# Altium PCB ZYNQ7010_AD9363.PcbDoc (part 1 of 5) (continued)
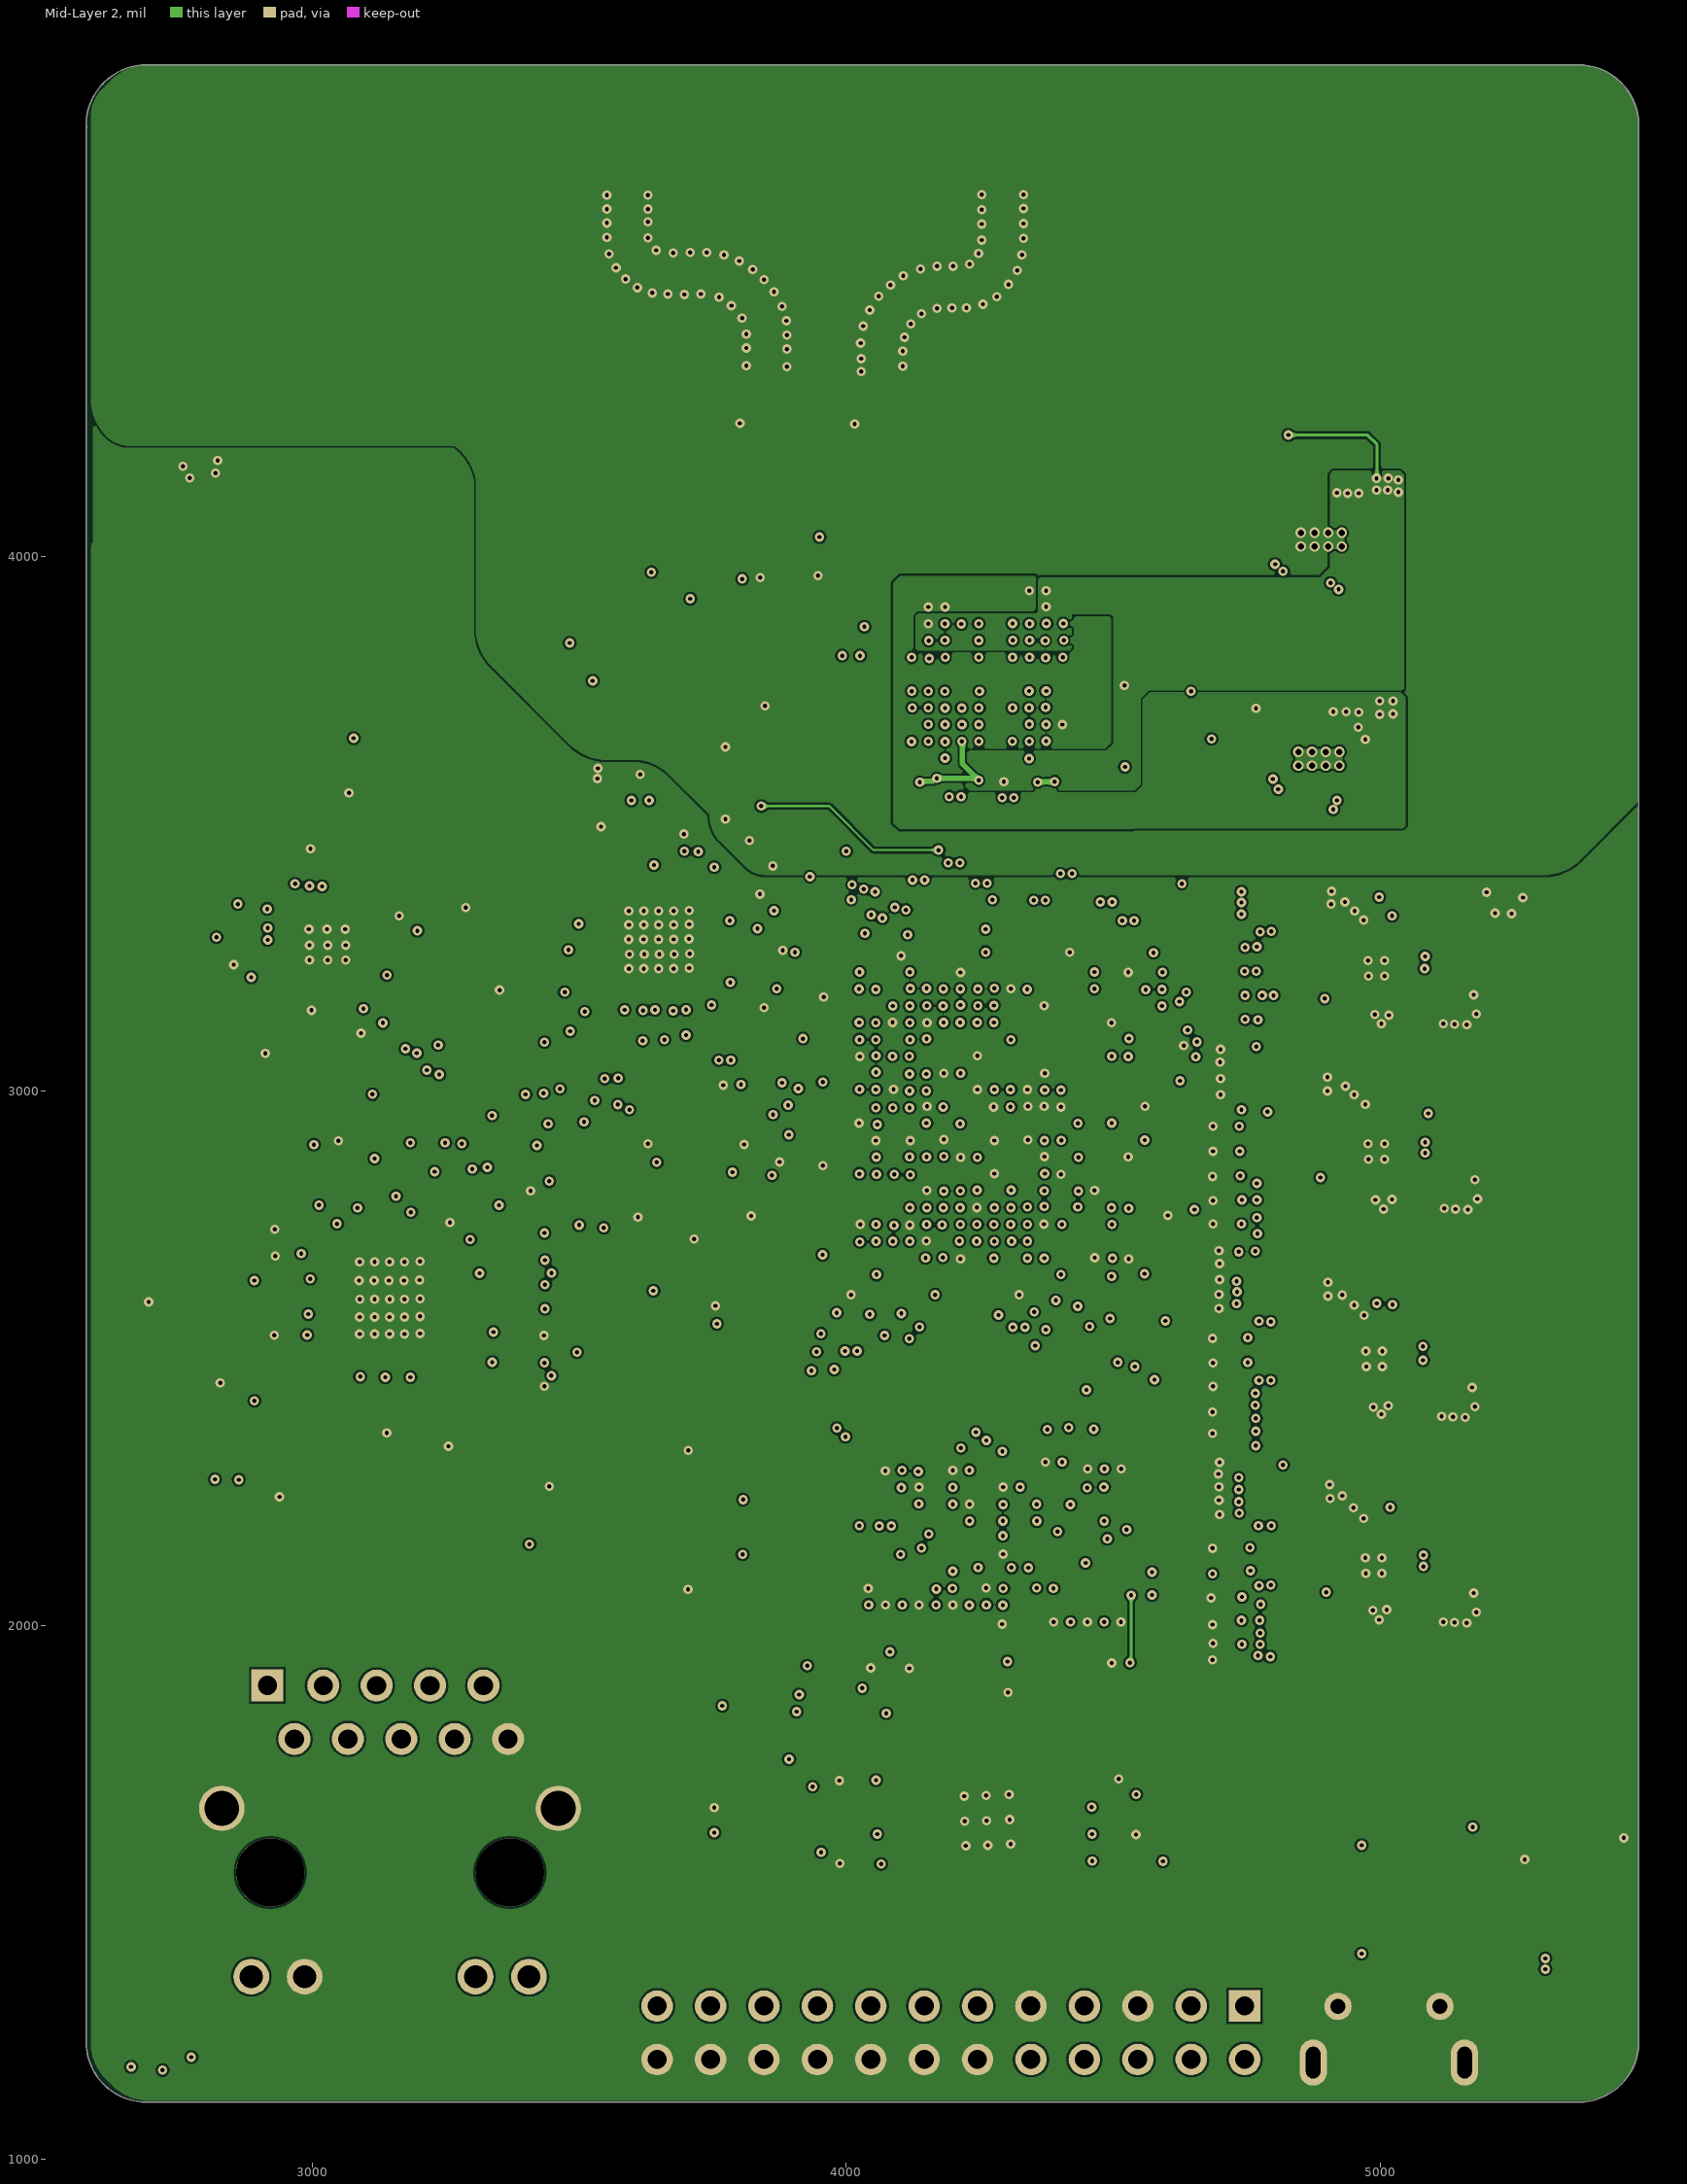
[diagram p3: Mid-Layer 2]
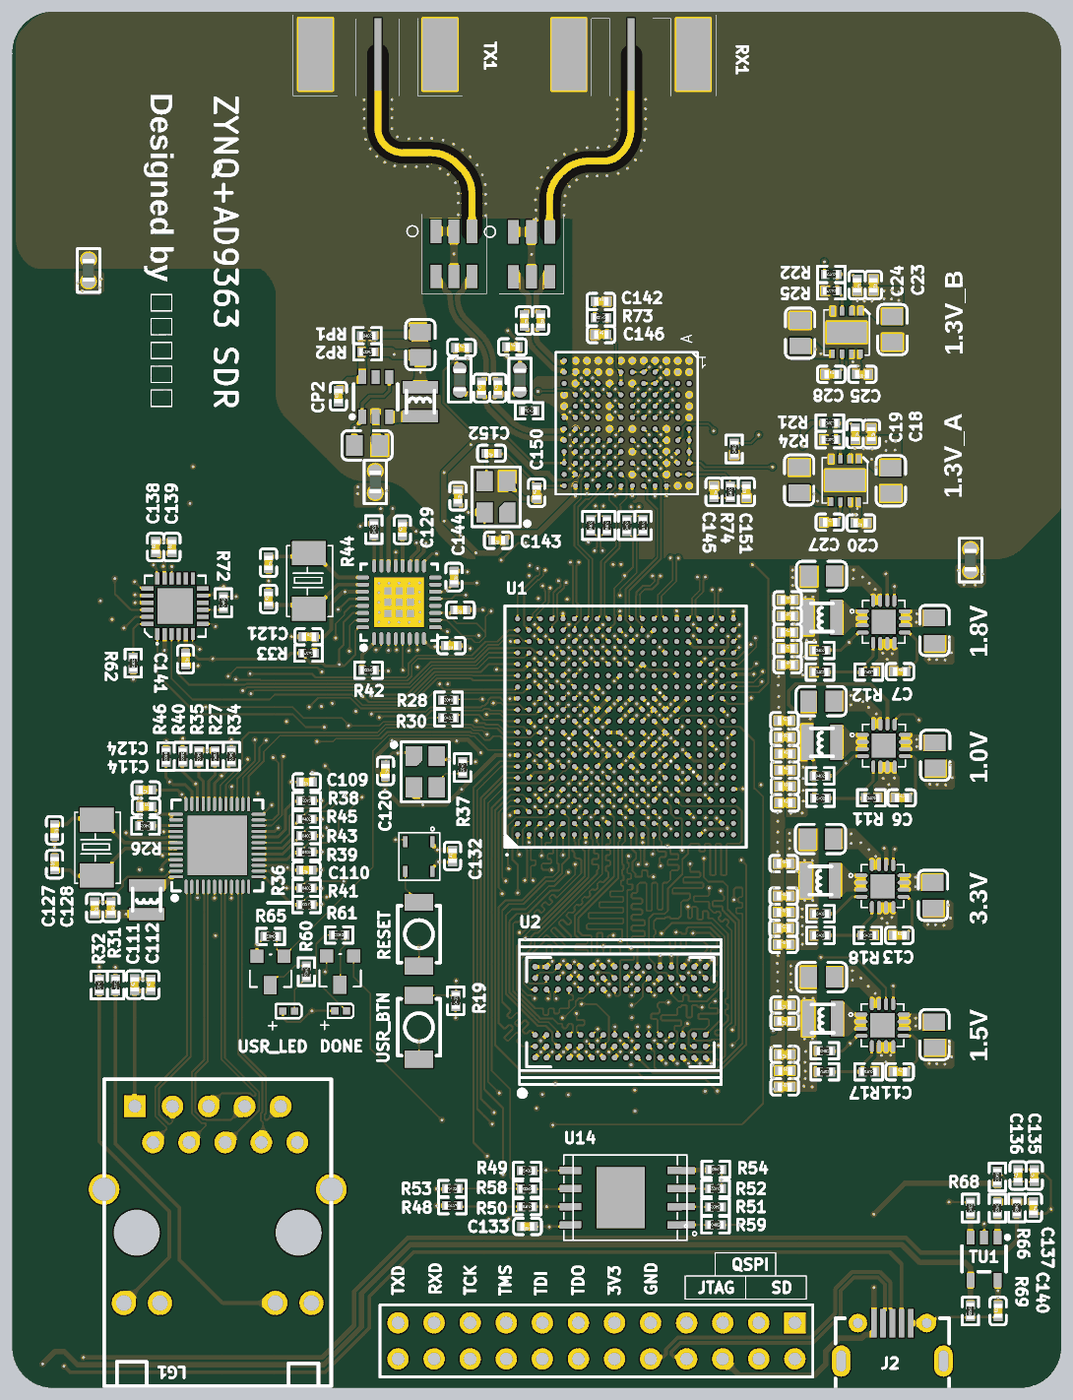
[diagram p8: 3D render of the assembled board from above, using the file's embedded part models]
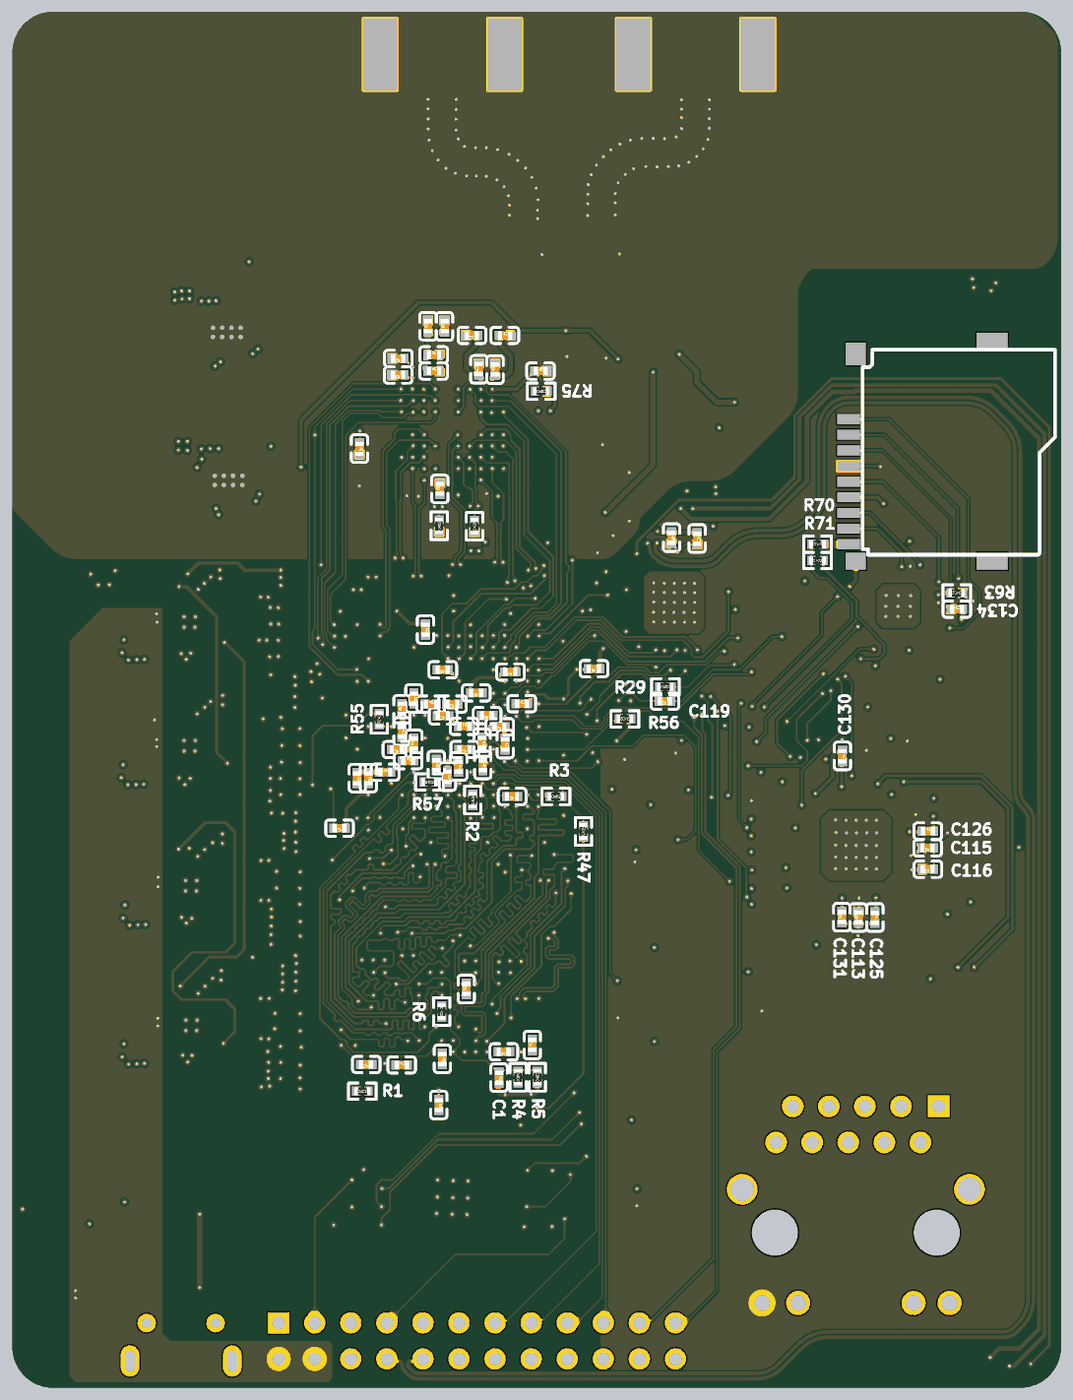
[diagram p9: 3D render of the assembled board from below, using the file's embedded part models]

## Layer stack, top to bottom
Top Solder: solder mask 0.4, Solder Resist, Dk 3.5
Top Layer: signal copper 1.4
Dielectric 1: dielectric 12.6, FR-4, Dk 4.8
Mid-Layer 1: signal copper 1.4
Dielectric2: dielectric 12.6, FR-4, Dk 4.8
Mid-Layer 2: signal copper 1.4
Dielectric3: dielectric 12.6, FR-4, Dk 4.8
Bottom Layer: signal copper 1.4
Bottom Solder: solder mask 0.4, Solder Resist, Dk 3.5

## Board outline
2576.99,1218.97 cw(c2580,1219) 2576.99,1219 2576.99,4802 cw(c2580,4802) 2578.31,4804.5 cw(c2580,4807) 2576.99,4806.97 cw(c2690,4808) 2688.97,4921.01 cw(c2689,4918) 2689,4921.02 5369.98,4921.02 cw(c5371,4808) 5484.01,4809.03 cw(c5481,4809) 5484.02,4809 5484.02,1221.01 ccw(c5371,1220) 5484.01,1221.03 5484.02,1221.01 cw(c5371,1220) 5484.02,1220 cw(c5371,1220) 5372.03,1106.99 cw(c5372,1110) 5372,1106.98 2691.01,1106.98 ccw(c2690,1220) 2691.03,1106.99 2691.01,1106.98 cw(c2690,1220)

## Design rules (kind name [scope] priority, off if disabled: settings)
Clearance [All] p1: gap=4 ignorepadtopadclearanceinfootprint=FALSE
ComponentClearance [All] p1: gap=0 collisioncheckmode=3 verticalgap=0 showdistances=FALSE
DiffPairsRouting [All] p1: maxlimit=10 minlimit=5 mostfreqgap=5 toplayer_minwidth=5 toplayer_maxwidth=15 toplayer_prefwidth=5 midlayer1_minwidth=5 midlayer1_maxwidth=15 midlayer1_prefwidth=5 midlayer2_minwidth=5 midlayer2_maxwidth=15 midlayer2_prefwidth=5 bottomlayer_minwidth=5 bottomlayer_maxwidth=15 bottomlayer_prefwidth=5 maxuncoupledlength=500
MinimumSolderMaskSliver [All] p1 off: minsoldermaskwidth=10
PolygonConnect [All] p1: connectstyle=Direct reliefconductorwidth=10 reliefentries=4 polygonreliefangle="90 Angle" airgapwidth=10
RoutingVias [All] p1: holewidth=7.87 width=17.72 viastyle="Through Hole" minholewidth=7.87 minwidth=17.72 maxholewidth=28 maxwidth=50
SilkToSilkClearance [All] p1 off: silktosilkclearance=10
SilkToSolderMaskClearance [IsPad] p1 off: minsilkscreentomaskgap=10 clearancetoexposedcopper=TRUE
SolderMaskExpansion [All] p1: expansion=4 istentingtop=FALSE
Width [All] p1: maxlimit=100 minlimit=4 preferedwidth=4
25 further rules are at their usual default settings.

## Classes and differential pairs
net class DQ815: DDR3_DM1 DDR3_DQ8 DDR3_DQ9 DDR3_DQ10 DDR3_DQ11 DDR3_DQ12 DDR3_DQ13 DDR3_DQ14 DDR3_DQ15 DDR3_DQS1_N DDR3_DQS1_P
net class DQ07: DDR3_DM0 DDR3_DQ0 DDR3_DQ1 DDR3_DQ2 DDR3_DQ3 DDR3_DQ4 DDR3_DQ5 DDR3_DQ6 DDR3_DQ7 DDR3_DQS0_N DDR3_DQS0_P
net class ADDRES: DDR3_A0 DDR3_A1 DDR3_A2 DDR3_A3 DDR3_A4 DDR3_A5 DDR3_A6 DDR3_A7 DDR3_A8 DDR3_A9 DDR3_A10 DDR3_A11 DDR3_A12 DDR3_A13 DDR3_A14 DDR3_BA0 DDR3_BA1 DDR3_BA2 DDR3_CAS DDR3_CK_N DDR3_CK_P DDR3_CKE DDR3_CS DDR3_ODT DDR3_RAS DDR3_WE
component class "07 AD9363": C142 C143 C144 C145 C146 C150 C151 C152 C156 C157 C158 C159 C160 C161 C162 C165 C166 C168 C169 C170 C171 C172 C173 C174 C175 C176 C177 CP1 CP2 CP3 L7 L8 LP1 R73 R74 R75 RP1 RP2 RX1 RX2 RX3 RX4 RX5 RX6 RX7 RX8 RX9 RX10 RX11 RX12 T1 T2 TX1 U5 UP1 X4
component class "06 ZYNQ_POWER": C33 C34 C35 C36 C37 C38 C39 C41 C42 C43 C44 C45 C46 C49 C50 C51 C52 C53 C54 C55 C56 C57 C61 C62 C67 C68 C69 C70 C71 C72 C73 C74 C75 C76 C77 C78 C80 C81 C82 C83 C84 C85 C86 C87 C89 C90 C91 C92 C93 C94 C95 C96 C98 C99 C100 C101 C102 C103 C104 C105 C106 C107 C108
component class "05 POWER-SUPPLY": C2 C3 C4 C5 C6 C7 C8 C9 C10 C11 C12 C13 C17 C18 C19 C20 C21 C22 C23 C24 C25 C26 C27 C28 L1 L2 L3 L4 R7 R8 R9 R10 R11 R12 R13 R14 R15 R16 R17 R18 R21 R22 R24 R25 U6 U7 U8 U9 U11 U12
component class "04 ZYNQ_BANK0": * C133 C134 C135 C136 C137 C138 C139 C140 C141 DONE J2 P2 Q1 Q2 R47 R48 R49 R50 R51 R52 R53 R54 R55 R56 R57 R58 R59 R60 R61 R62 R63 R64 R65 R66 R67 R68 R69 R70 R71 R72 tf1 TU1 U14 USD1 USR_LED
component class "03 ZYNQ_PL-BANK34-35": U1
component class "02 ZYNQ_PS-BANK500-501": C109 C110 C111 C112 C113 C114 C115 C116 C117 C118 C119 C120 C121 C122 C123 C124 C125 C126 C127 C128 C129 C130 C131 C132 L6 LG1 R19 R26 R27 R28 R29 R30 R31 R32 R33 R34 R35 R36 R37 R38 R39 R40 R41 R42 R43 R44 R45 R46 RESET U3 U4 U13 USR_BTN X1 X2 X3
component class "01 ZYNQ_DDR": C1 R1 R2 R3 R4 R5 R6 U2
differential pair USB_OTG: +USB_OTG_P -USB_OTG_N
differential pair TXF: +TXF_P -TXF_N
differential pair TX_FRAME: +TX_FRAME_P -TX_FRAME_N
differential pair TX_D5: +TX_D5_P -TX_D5_N
differential pair TX_D4: +TX_D4_P -TX_D4_N
differential pair TX_D3: +TX_D3_P -TX_D3_N
differential pair TX_D2: +TX_D2_P -TX_D2_N
differential pair TX_D1: +TX_D1_P -TX_D1_N
differential pair TX_D0: +TX_D0_P -TX_D0_N
differential pair TX1A: +TX1A_P -TX1A_N
differential pair RX_FRAME: +RX_FRAME_P -RX_FRAME_N
differential pair RX_D5: +RX_D5_P -RX_D5_N
differential pair RX_D4: +RX_D4_P -RX_D4_N
differential pair RX_D3: +RX_D3_P -RX_D3_N
differential pair RX_D2: +RX_D2_P -RX_D2_N
differential pair RX_D1: +RX_D1_P -RX_D1_N
differential pair RX_D0: +RX_D0_P -RX_D0_N
differential pair RX1A: +RX1A_P -RX1A_N
differential pair PHY_MDI3: +PHY_MDI3_P -PHY_MDI3_N
differential pair PHY_MDI2: +PHY_MDI2_P -PHY_MDI2_N
differential pair PHY_MDI1: +PHY_MDI1_P -PHY_MDI1_N
differential pair PHY_MDI0: +PHY_MDI0_P -PHY_MDI0_N
differential pair FB: +FB_P -FB_N
differential pair FB_CLK: +FB_CLK_P -FB_CLK_N
differential pair DDR3_DQS1: +DDR3_DQS1_P -DDR3_DQS1_N
differential pair DDR3_DQS0: +DDR3_DQS0_P -DDR3_DQS0_N
differential pair DDR3_CK: +DDR3_CK_P -DDR3_CK_N
differential pair DATA_CLK: +DATA_CLK_P -DATA_CLK_N
differential pair 2: +2_P -2_N
differential pair 1: +1_P -1_N

## Components (designator, comment, footprint, x,y, rotation, side; value= is the part's Value field where it differs from the comment)
* "W25Q128" W25Q256 4263,1634 r90 top
C1 "104" LC-0402_C 4135,1966.73 r270 bottom
C2 "10μF" LC-0805_C 4819,3010 r180 top
C3 "10μF" LC-0805_C 4820,3357 r180 top
C4 "10μF" LC-0805_C 5135,2860 r90 top
C5 "10μF" LC-0805_C 5133,3206 r90 top
C6 "0.1μF" LC-0402_C 5042,2742 r0 top
C7 "0.1μF" LC-0402_C 5037.27,3092 r0 top
C8 "10μF" LC-0805_C 4820,2245 r180 top
C9 "10μF" LC-0805_C 4817,2628 r180 top
C10 "10μF" LC-0805_C 5133,2086 r90 top
C11 "0.1μF" LC-0402_C 5036.27,1983 r0 top
C12 "10μF" LC-0805_C 5129,2471.96 r90 top
C13 "0.1μF" LC-0402_C 5035,2361 r0 top
C17 "2.2μF" LC-0805_C 5012,3621 r90 top
C18 "0.1μF" LC-0402_C 4958,3750.73 r270 top
C19 "3.3nF" LC-0402_C 4913,3751 r270 top
C20 "2.2μF" LC-0402_C 4929,3504 r180 top
C21 "0.1μF" LC-0805_C 4758,3622.96 r270 top
C22 "2.2μF" LC-0805_C 5016.61,4040.2 r90 top
C23 "0.1μF" LC-0402_C 4963.61,4163.47 r270 top
C24 "3.3nF" LC-0402_C 4918.61,4163.47 r270 top
C25 "2.2μF" LC-0402_C 4932.88,3916.2 r180 top
C26 "0.1μF" LC-0805_C 4760.61,4030.2 r270 top
C27 "0.1μF" LC-0402_C 4843,3506 r0 top
C28 "0.1μF" LC-0402_C 4846.88,3916.2 r0 top
C33 "10μF" LC-0402_C 4371,3018 r270 bottom
C34 "10μF" LC-0402_C 4168,2970 r0 bottom
C35 "10μF" LC-0402_C 4264,3002 r0 bottom
C36 "10μF" LC-0402_C 4324,3002 r180 bottom
C37 "10μF" LC-0402_C 4387,2845 r180 bottom
C38 "10μF" LC-0402_C 4718.27,1986 r0 top
C39 "10μF" LC-0402_C 4719,2864 r0 top
C41 "10μF" LC-0402_C 3819,3263 r180 top
C42 "10μF" LC-0402_C 4418,2876 r0 bottom
C43 "10μF" LC-0402_C 4232,2940 r180 bottom
C44 "10μF" LC-0402_C 4198,3033 r0 bottom
C45 "10μF" LC-0402_C 4133,2939 r0 bottom
C46 "10μF" LC-0402_C 4118,2891 r270 bottom
C49 "10μF" LC-0402_C 4718.73,2774 r0 top
C50 "10μF" LC-0402_C 4309,2833 r270 bottom
C51 "10μF" LC-0402_C 4404,2988 r90 bottom
C52 "10μF" LC-0402_C 4451,2813 r180 bottom
C53 "10μF" LC-0402_C 4719,2728 r0 top
C54 "10μF" LC-0402_C 4247,2829 r270 bottom
C55 "10μF" LC-0402_C 4180,2833 r270 bottom
C56 "10μF" LC-0402_C 4718,2910 r0 top
C57 "10μF" LC-0402_C 4717,2956 r0 top
C61 "10μF" LC-0402_C 4715,2425 r0 top
C62 "10μF" LC-0402_C 4714.68,2380.49 r0 top
C67 "10μF" LC-0402_C 4719,2819 r0 top
C68 "10μF" LC-0402_C 4725.73,3156 r0 top
C69 "10μF" LC-0402_C 4725.73,3201 r0 top
C70 "10μF" LC-0402_C 4371,2892 r90 bottom
C71 "10μF" LC-0402_C 4182,2895 r270 bottom
C72 "10μF" LC-0402_C 4230,2876 r0 bottom
C73 "10μF" LC-0402_C 4404,2926 r270 bottom
C74 "10μF" LC-0402_C 4290,2969 r0 bottom
C75 "10μF" LC-0402_C 4278,2801 r270 bottom
C76 "10μF" LC-0402_C 3586,3461 r270 bottom
C77 "10μF" LC-0402_C 4715,2560 r0 top
C78 "10μF" LC-0402_C 3657,3463.27 r270 bottom
C80 "10μF" LC-0402_C 4726,3246 r0 top
C81 "10μF" LC-0402_C 4718,2031 r180 top
C82 "10μF" LC-0402_C 4497,2797 r270 bottom
C83 "10μF" LC-0402_C 4726,3111 r0 top
C84 "10μF" LC-0402_C 3872,3100 r0 bottom
C85 "10μF" LC-0402_C 4339,3209 r270 bottom
C86 "10μF" LC-0402_C 4717.73,1941 r0 top
C87 "10μF" LC-0402_C 4715,2470 r0 top
C89 "10μF" LC-0402_C 4715,2336 r0 top
C90 "10μF" LC-0402_C 4103,3091 r0 bottom
C91 "10μF" LC-0402_C 4726,3291 r0 top
C92 "10μF" LC-0402_C 4072,3003 r180 bottom
C93 "10μF" LC-0402_C 3794,3164 r180 top
C94 "10μF" LC-0402_C 4291,3097 r0 bottom
C95 "10μF" LC-0402_C 4528,2797 r270 bottom
C96 "10μF" LC-0402_C 3801,3354 r270 top
C98 "10μF" LC-0402_C 4718,2123 r180 top
C99 "10μF" LC-0402_C 4718,2168 r180 top
C100 "10μF" LC-0402_C 4226,2212 r90 bottom
C101 "10μF" LC-0402_C 4302,1891 r270 bottom
C102 "10μF" LC-0402_C 4292,2018.73 r270 bottom
C103 "10μF" LC-0402_C 4121.8,2038.05 r0 bottom
C104 "10μF" LC-0402_C 4503,2003 r0 bottom
C105 "10μF" LC-0402_C 4098.73,2746 r0 bottom
C106 "10μF" LC-0402_C 4577,2658 r0 bottom
C107 "10μF" LC-0402_C 4043,2057 r90 bottom
C108 "10μF" LC-0402_C 4405,2002 r180 bottom
C109 "1μ" LC-0402_C 3392.73,2786.2 r180 top
C110 "1μ" LC-0402_C 3392,2542.2 r180 top
C111 "1μ" LC-0402_C 2916,2224.2 r90 top
C112 "0.1μ" LC-0402_C 2961,2223.93 r90 top
C113 "1μ" LC-0402_C 3139,2410.47 r90 bottom
C114 "1μ" LC-0402_C 2947.26,2718.2 r0 top
C115 "1μ" LC-0402_C 2947,2603.2 r0 bottom
C116 "1μ" LC-0402_C 2946,2544.2 r0 bottom
C117 "18p" LC-0402_C 2694,2558.2 r90 top
C118 "18p" LC-0402_C 2694,2652.2 r270 top
C119 "0.01μ" LC-0402_C 3675,3010 r0 bottom
C120 "0.1μ" LC-0402_C 3611,2817 r270 top
C121 "10μ" LC-0402_C 3398.27,3189 r0 top
C122 "18p" LC-0402_C 3287,3293.27 r90 top
C123 "18p" LC-0402_C 3287,3394 r270 top
C124 "1μ" LC-0402_C 2947,2764.2 r180 top
C125 "1μ" LC-0402_C 3093,2410.47 r270 bottom
C126 "1μ" LC-0402_C 2946.26,2650.2 r180 bottom
C127 "1μ" LC-0402_C 2805,2437 r270 top
C128 "1μ" LC-0402_C 2850,2437.27 r270 top
C129 "4.7μ" LC-0402_C 3658,3485 r90 top
C130 "1μ" LC-0402_C 3183,2858.2 r270 bottom
C131 "1μ" LC-0402_C 3185,2411.2 r90 bottom
C132 "0.1μ" LC-0402_C 3797,2581 r90 top
C133 "0.1μ" LC-0402_C 4004.73,1554 r180 top
C134 "0.1μ" LC-0402_C 2866,3265 r180 bottom
C135 "4.7μ" LC-0402_C 5409.5,1694.96 r90 top
C136 "4.7μ" LC-0402_C 5364.5,1695.23 r90 top
C137 "4.7μ" LC-0402_C 5407.5,1606.5 r270 top
C138 "0.1μ" LC-0402_C 2974,3437 r90 top
C139 "10μ" LC-0402_C 3019,3437 r90 top
C140 "0.1μ" LC-0402_C 5309.5,1319.5 r90 top
C141 "0.1μ" LC-0402_C 3057,3126 r270 top
C142 "1μ" LC-0402_C 4208.27,4118 r0 top
C143 "0.1μ" LC-0402_C 3924,3456 r180 top
C144 "10μ" LC-0402_C 3812,3578 r270 top
C145 "1μ" LC-0402_C 4522,3590 r270 top
C146 "0.001μ" LC-0402_C 4209,4026 r0 top
C150 "18p" LC-0402_C 4030,3588 r90 top
C151 "0.001μ" LC-0402_C 4611.73,3590.05 r90 top
C152 "18p" LC-0402_C 3905,3697 r180 top
C156 "18p" LC-0402_C 3996,4065 r270 top
C157 "18p" LC-0402_C 4041,4065 r270 top
C158 "18p" LC-0402_C 3923,3878 r90 top
C159 "18p" LC-0402_C 3878,3878 r90 top
C160 "10μ" LC-0402_C 3822,3990 r0 top
C161 "0.001μ" LC-0402_C 3963,3992 r0 top
C162 "10μ" LC-0402_C 4299,3598 r90 bottom
C165 "10μ" LC-0402_C 4316,3925 r180 bottom
C166 "1μ" LC-0402_C 4286,4048.73 r90 bottom
C168 "1μ" LC-0402_C 4316,3970 r180 bottom
C169 "0.001μ" LC-0402_C 4332,4049 r90 bottom
C170 "1μ" LC-0402_C 4146,3929 r90 bottom
C171 "0.001μ" LC-0402_C 4191,3930 r90 bottom
C172 "1μ" LC-0402_C 4414.27,3914 r0 bottom
C173 "0.001μ" LC-0402_C 4522,3710 r270 bottom
C174 "1μ" LC-0402_C 4119,4024 r180 bottom
C175 "0.001μ" LC-0402_C 4210,4024 r0 bottom
C176 "1μ" LC-0402_C 4020,3925 r180 bottom
C177 "0.001μ" LC-0402_C 4414,3960 r0 bottom
CP1 "22uF" LC-0805_C 3560,3719 r180 top
CP2 "22pF" LC-0402_C 3481,3855 r90 top
CP3 "22uF" LC-0805_C 3708,3998 r270 top
DONE "LED" D0402 3486.86,2152 r0 top
J2 "microusb" "micro usb" 4919.92,1283.41 r0 top
L1 "2.2uH" L1008 4821,2896 r180 top
L2 "2.2uH" L1008 4821.08,3242 r180 top
L3 "2.2uH" L1008 4823.08,2130 r180 top
L4 "2.2uH" L1008 4817,2513 r180 top
L6 "2.2uH" L1008 2949,2460 r270 top
L7 "330nh" LC-0603_L 3984,3900.32 r270 top
L8 "330nh" LC-0603_L 3817,3900 r270 top
LG1 "HR911130C" HR911130C 3146,1614.62 r180 top
LP1 "4.7uH" L1008 3708,3840 r90 top
P2 "Header 12X2A" HDR2X12_CEN 4746,1287 r180 top
Q1 "AO3400" NMOS 3484,2224 r90 top
Q2 "AO3400" NMOS 3291,2223 r90 top
R1 "4.7K" LC-0402_R 4514,1929 r180 bottom
R2 "82R" LC-0402_R 4208,2736 r90 bottom
R3 "82R" LC-0402_R 3977,2746 r180 bottom
R4 "4.7K" LC-0402_R 4082,1967.73 r270 bottom
R5 "4.7K" LC-0402_R 4029,1967.73 r90 bottom
R6 "240R" LC-0402_R 4294,2149.73 r270 bottom
R7 "100K" LC-0402_R 4816.27,2803 r0 top
R8 "10K" LC-0402_R 4816.27,3151 r0 top
R9 "4.99K" LC-0402_R 4817,2741 r0 top
R10 "18.7K" LC-0402_R 4815.73,3091 r0 top
R11 "20K" LC-0402_R 4958,2742 r0 top
R12 "15K" LC-0402_R 4951.27,3091 r0 top
R13 "10K" LC-0402_R 4829,2041 r0 top
R14 "13K" LC-0402_R 4829,1983 r0 top
R15 "10K" LC-0402_R 4817,2421 r0 top
R16 "56.2" LC-0402_R 4817,2361 r0 top
R17 "15K" LC-0402_R 4950.27,1983 r0 top
R18 "18K" LC-0402_R 4948.27,2361 r0 top
R19 "10K" LC-0402_R 3806,2180 r90 top
R21 "6.25K" LC-0402_R 4843,3781 r0 top
R22 "6.25K" LC-0402_R 4846.88,4193.2 r0 top
R24 "10K" LC-0402_R 4843,3735 r180 top
R25 "10K" LC-0402_R 4846.88,4147.2 r180 top
R26 "2.49K" LC-0402_R 2946,2664.2 r180 top
R27 "4.7K" LC-0402_R 3139,2857.2 r90 top
R28 "33R" LC-0402_R 3786,3013 r180 top
R29 "33R" LC-0402_R 3674,3050 r180 bottom
R30 "10K" LC-0402_R 3786,2964 r0 top
R31 "330R" LC-0402_R 2863,2223.27 r270 top
R32 "330R" LC-0402_R 2818,2223 r270 top
R33 "1.5K" LC-0402_R 3397.73,3143 r180 top
R34 "1.5K" LC-0402_R 3184,2857.47 r270 top
R35 "4.7K" LC-0402_R 3094,2857.2 r270 top
R36 "4.7K" LC-0402_R 3392,2446.2 r180 top
R37 "33R" LC-0402_R 3825,2826 r270 top
R38 "4.7K" LC-0402_R 3392.73,2734.2 r180 top
R39 "4.7K" LC-0402_R 3392,2592.2 r0 top
R40 "4.7K" LC-0402_R 3049,2857.2 r270 top
R41 "4.7K" LC-0402_R 3392,2492.2 r0 top
R42 "33R" LC-0402_R 3564,3096 r180 top
R43 "4.7K" LC-0402_R 3392.26,2637.2 r0 top
R44 "8.06K" LC-0402_R 3579,3485.73 r90 top
R45 "4.7K" LC-0402_R 3392,2683.2 r0 top
R46 "4.7K" LC-0402_R 3003,2856.93 r270 top
R47 "20K" LC-0402_R 3901,2649 r90 bottom
R48 "1K" LC-0402_R 3796.73,1612 r0 top
R49 "20K" LC-0402_R 4003.73,1709 r0 top
R50 "20K" LC-0402_R 4003.27,1609 r0 top
R51 "20K" LC-0402_R 4526,1608 r180 top
R52 "20K" LC-0402_R 4526.27,1659 r180 top
R53 "20K" LC-0402_R 3796.73,1659 r0 top
R54 "10K" LC-0402_R 4527,1712 r180 top
R55 "4.7K" LC-0402_R 4467,2959.73 r270 bottom
R56 "20K" LC-0402_R 3786,2961 r0 bottom
R57 "4.7K" LC-0402_R 4328,2786 r180 bottom
R58 "33R" LC-0402_R 4003.27,1658 r180 top
R59 "470R" LC-0402_R 4526,1559 r0 top
R60 "470R" LC-0402_R 3392,2260 r270 top
R61 "470R" LC-0402_R 3483,2362 r180 top
R62 "4.7K" LC-0402_R 2912,3115.27 r90 top
R63 "4.7K" LC-0402_R 2866.27,3310 r0 bottom
R64 "0R" LC-0402_R 5307.5,1691.5 r270 top
R65 "10K" LC-0402_R 3293.27,2358 r180 top
R66 "1K" LC-0402_R 5361.5,1605.5 r270 top
R67 "0R" LC-0402_R 5307.5,1605.23 r270 top
R68 "100K" LC-0402_R 5232.5,1605.23 r90 top
R69 "10K" LC-0402_R 5232.5,1319.5 r270 top
R70 "330R" LC-0402_R 3252,3445 r0 bottom
R71 "10K" LC-0402_R 3252,3400 r180 bottom
R72 "40.2R" LC-0402_R 3162,3283 r90 top
R73 "1R" LC-0402_R 4208.27,4073 r180 top
R74 "1R" LC-0402_R 4567,3590 r90 top
R75 "14.3K" LC-0402_R 4018,3869 r180 bottom